# Altium PCB SVEC.pcbdoc (part 9 of 18) (continued)
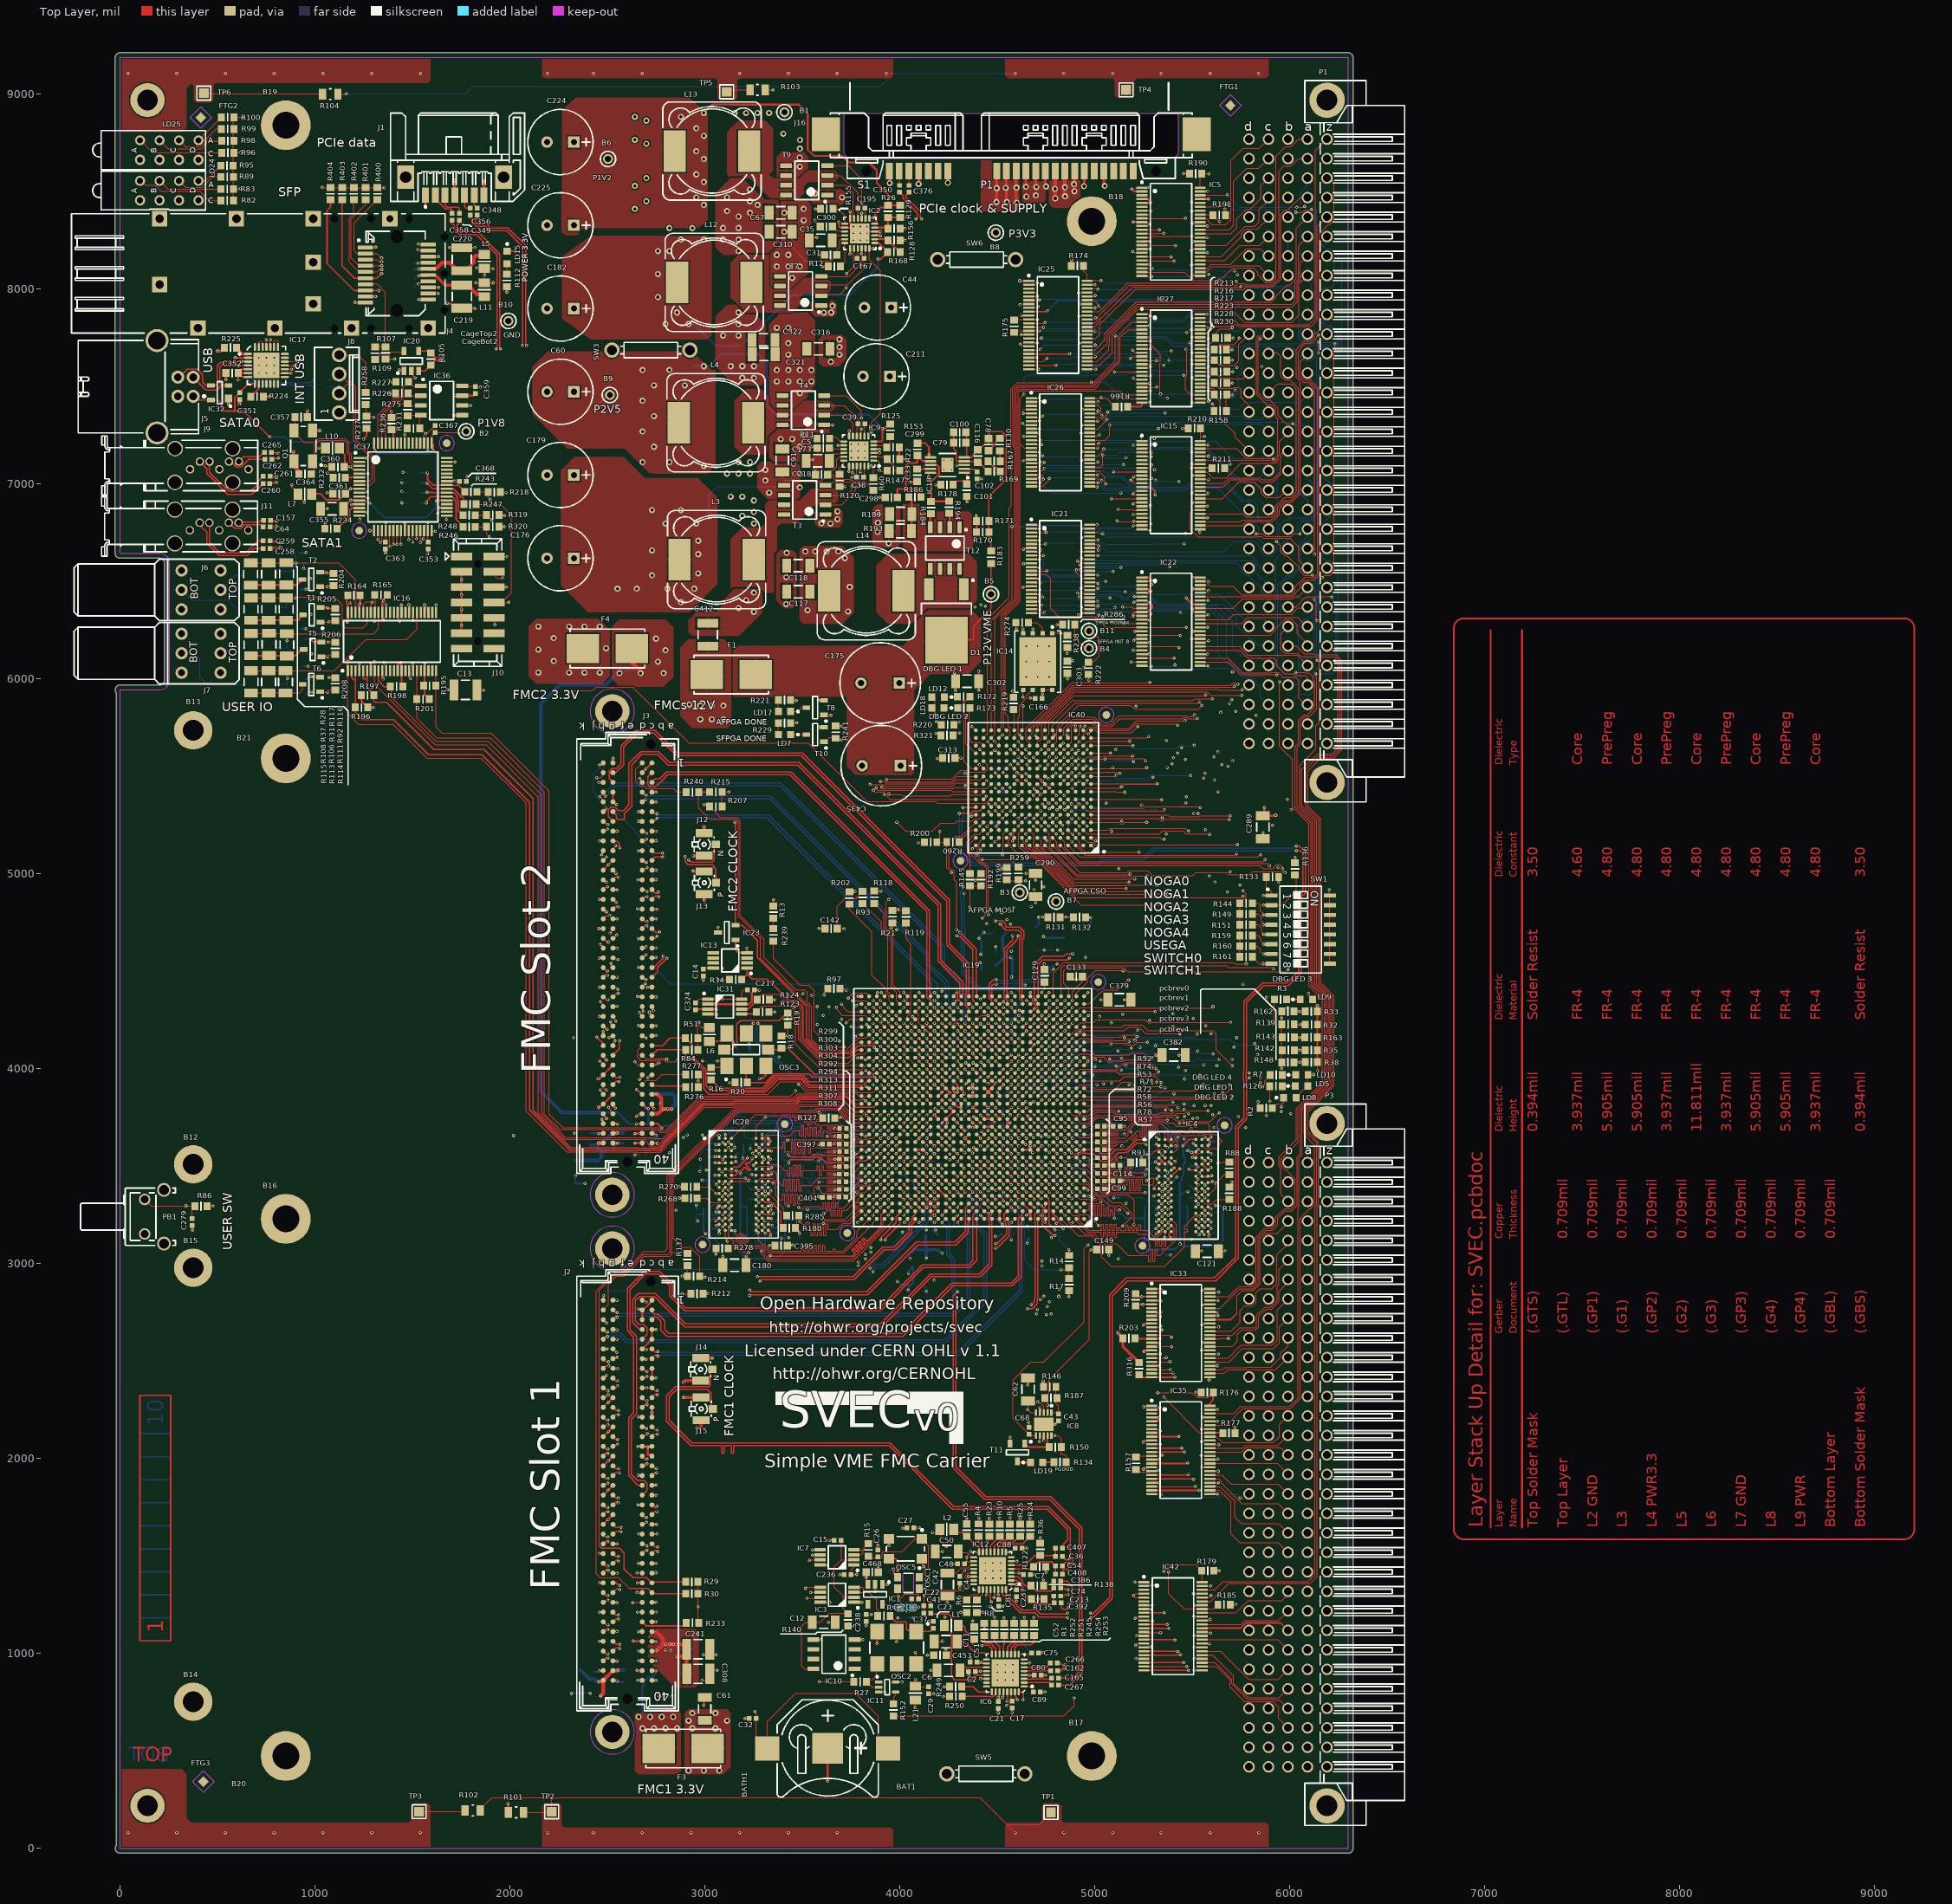
[diagram p0: Top Layer view]
## Nets (pads, with @x,y where several pads share a name; then routed paths per layer and width w, separated by ;. In a path a pad name is that pad's centre, name@x,y a point inside that pad or via, vN(x,y) a via of type N, cw(c..) or ccw(c..) an arc to the next point about the centre after c; other vN are vias at no path point) (continued)
  Top Layer w15: v1(542.69,7535.64) 543.19,7536.14 C352.2@543.19,7568.64 ; v1(555.69,7407.64) 555.96,7407.92 IC32.1@555.96,7438.11 ; v1(612.69,7409.64) 613.69,7410.64 C351.2@613.69,7431.92 ; v1(888.69,7166.64) 888.69,7088.64 902.69,7074.64 911.69,7074.64 917.19,7069.14 C364.1@917.19,7050.64 ; v1(959.69,7375.64) 960.18,7375.14 C357.1@960.18,7342.64 ; Q1.2@986.93,7273.38 1024.43,7273.38 v1(1024.69,7273.64) ; v1(1565.69,8424.64) 1566.07,8425.03 J1.1@1566.07,8480.73 ; J1.4@1716.07,8480.73 1716.07,8556.03 v1(1716.69,8556.64) ; J1.7@1866.07,8480.73 1866.07,8554.03 v1(1866.69,8554.64) ; v1(2888.69,2313.51) 2889.48,2312.71 J15.2@2980.69,2312.71 ; v1(2889.69,2390.51) 2898.75,2399.57 J14.2@2977.69,2399.57 ; v1(2937.69,5014.64) 2940.62,5011.71 J13.2@2996.55,5011.71 ; v1(2939.69,5091.64) 2940.62,5092.57 J12.2@2995.69,5092.57 ; v1(2957.69,2158.64) 2959.69,2156.64 2976.69,2156.64 2980.69,2160.64 J15.2@2980.69,2196.57 ; J14.2@2977.69,2515.71 3037.62,2515.71 v1(3037.69,2515.64) ; v1(2994.69,5242.64) 2995.69,5241.64 J12.2@2995.69,5208.71 ; v1(2996.55,4863.64) J13.2@2996.55,4895.57 ; v1(3582.55,3343.51) 3585.55,3340.51 C404.1@3602.84,3340.51 ; v1(3585.55,3774.51) 3603.06,3757 R127.2@3603.06,3746.51 ; v1(3784.55,4370.51) 3785.42,4371.37 IC19.AK30@3802.69,4371.37 ; v2@3948.4,8543.66 J16.S1@3948.4,8610.36 ; v2@4097.4,8536.66 J16.S4@4097.4,8604.92 ; v2@4247.27,8544.79 J16.S7@4247.27,8611.49 ; v2@4644.69,8521.64 4645.4,8522.36 J16.P4@4645.4,8603.66 ; J16.P5@4695.4,8603.66 4695.4,8521.92 v2@4695.69,8521.64 ; J16.P6@4745.4,8603.66 4745.4,8525.92 v2@4746.69,8524.64 ; IC40.R6@4782.98,5696.41 4790.55,5703.99 v1(4790.55,5713.51) ; v2@4945.4,8528.92 J16.P10@4945.4,8603.66 ; v2@5045.4,8531.92 J16.P12@5045.4,8603.66 ; C99.1@5128.27,3423.51 v1@5146.55,3423.51 ; v1(5314.55,3613.51) 5322.83,3605.23 IC4.B1@5328.57,3605.23 ; v1(5316.08,3153.88) 5318.16,3153.88 IC4.T1@5328.57,3164.29 ; R188.1@5689.55,3392 5703.55,3406 v1@5703.55,3416.51
  L3 w4: v1@3052.55,3220.91 v1(3052.95,3220.51) ; v1@3060.79,3283.74 v1(3061.55,3284.51)
  Bottom Layer w5: C362.2@1240.27,6926.51 1241.27,6925.51 v1(1271.55,6925.51) ; C366.2@1242.27,6964.51 1263.55,6964.51 v1(1269.55,6958.51) ; C365.2@1244.27,7063.51 1260.55,7063.51 v1(1271.55,7052.51) ; C315.1@1490.27,7566.51 1512.27,7544.51 v1(1513.55,7544.51) ; C214.2@1502.55,8132.22 1502.84,8132.51 v1(1526.55,8132.51) ; C228.2@1508.55,8010.79 1516.55,8018.79 1516.55,8022.51 1519.02,8024.98 v1(1530.08,8024.98) ; v1(1567.55,7258.51) 1568.55,7257.51 C354.2@1568.55,7227.22 ; v1(2986.55,4039.51) 2988.55,4039.51 C40.1@3007.84,4039.51 ; C34.1@3210.27,4159.51 3210.27,4142.79 v1(3227.55,4125.51) ; v1@3426.55,4255.51 3437.55,4255.51 3454.55,4272.51 C375.1@3457.5,4272.51 3457.5,4314.45 v1(3460.55,4317.51) ; v1@3427.55,4374.51 3429.55,4376.51 C380.1@3458.5,4376.51 3495.55,4376.51 v1(3502.55,4383.51) ; v1(3585.55,3774.51) 3576.55,3765.51 3576.55,3718.51 3602.55,3692.51 C399.1@3602.84,3692.51 ; C143.1@3639.06,4282.51 3639.69,4283.14 3639.69,4310.51 ; v1(3783,3209.95) 3796.69,3223.64 C391.1@3810.97,3223.64 ; C131.1@3791.55,3904 3821.05,3904 v1(3826.55,3909.51) ; C161.1@3806.55,3393.22 C161.1@3806.55,3396.51 ; C161.1@3806.69,3385.36 3823.55,3402.22 v1@3823.55,3406.81 ; v1(3828.55,4226.51) 3829.69,4227.64 C199.1@3829.69,4248.92 ; v1@3939.55,3684.51 3950.55,3684.51 3960.55,3694.51 C243.1@3961.84,3694.51 ; C347.1@3999.55,4330.22 3999.55,4336.51 4013.55,4350.51 v1@4019.55,4350.51 ; v1@4018.55,4391.51 4021.06,4394.01 C273.1@4021.06,4420.51 ; C221.1@4079.69,4286.64 v1@4099.69,4306.64 ; v1@4094.55,4350.51 4107.82,4350.51 4118.55,4339.77 C286.1@4118.55,4333.79 ; v1@4098.55,4307.22 v1@4098.55,4308.51 ; C140.1@4122.05,2891.51 4122.05,2887.28 4136.55,2872.77 v1(4136.55,2857.51) ; C268.1@4145.55,2945.45 4162.88,2945.45 4176.55,2931.77 v1(4176.55,2914.51) ; C278.1@4213.69,4375.36 4213.69,4395.64 v1(4215.69,4397.64) ; C369.1@4254.55,4019.79 4254.55,3995.51 v1@4255.55,3995.51 ; v1@4254.55,4230.51 4278.84,4254.79 C285.1@4302.55,4254.79 ; C275.1@4267.55,4387.22 4285.27,4387.22 v1@4291.55,4393.51 ; v1(4334.18,3682.4) 4335.1,3683.31 4343.11,3683.31 C222.1@4359.78,3666.65 ; v1(4407.55,5558.51) 4408.84,5559.79 C343.1@4429.55,5559.79 ; C288.1@4423.4,4261.64 4440.99,4261.64 v1(4452.29,4272.95) ; C92.1@4465.69,4369.36 4478.42,4356.63 4486.72,4356.63 v1(4491.66,4351.69) ; v1(4485.55,5633.51) 4487.84,5635.79 C333.1@4510.55,5635.79 ; C305.1@4488.06,5473.51 4488.06,5441 v1(4488.55,5440.51) ; v1@4526.55,5439.3 4526.55,5439.99 v1(4527.07,5440.51) ; v1(4528.55,5519.51) 4533.05,5524 C312.1@4533.05,5551.51 ; v1(4530.69,4077.64) 4553.69,4100.64 C187.1@4554.97,4100.64 ; v1@4567.55,4350.51 4571.48,4346.58 4579.34,4346.58 4579.34,4338.72 4583.27,4334.79 C150.1@4589.55,4334.79 ; v1(4570.4,4351.69) 4571.45,4350.64 4584.97,4350.64 C150.1@4592.69,4342.92 ; v1(4610.69,4299.64) 4635.14,4299.64 C9.1@4643.55,4291.22 ; C231.1@4625.55,5541.22 4625.55,5537.77 4647.63,5515.7 v1(4647.63,5512.35) 4656.19,5503.79 C216.1@4670.55,5503.79 ; v1(4628.55,7309.51) C464.2@4646.55,7309.51 ; v1(4630.55,7116.51) C338.2@4662.55,7116.51 ; v1(4631.55,6467.51) C154.1@4654.55,6467.51 ; C198.1@4648.84,3860.51 4649.15,3860.81 v1(4649.14,3879.25) ; C334.1@4662.27,5420.51 4665.19,5420.51 v1(4684.56,5401.14) 4704.55,5381.14 C208.1@4704.55,5379.22 ; v1(4668.55,4391.06) 4688.85,4411.36 C126.1@4692.69,4411.36 ; C331.2@4675.55,8032.51 4702.55,8032.51 v1(4703.55,8031.51) ; C516.1@4676.55,7912.51 4678.55,7910.51 v1(4708.55,7910.51) ; C517.2@4678.27,7719.51 4701.55,7719.51 4705.55,7723.51 v1(4704.55,7723.51) ; v1(4684.55,5597.99) 4686.8,5595.75 4702.55,5611.51 C345.1@4705.84,5611.51 ; C227.1@4694.27,6662.51 4719.55,6662.51 4720.55,6661.51 v1(4720.55,6660.51) ; C341.1@4703.27,5460.51 4703.93,5460.51 v1(4723.93,5440.51) ; v1(4720.55,5405.51) 4732.55,5405.51 4744.55,5417.51 C325.1@4744.55,5418.22 ; C342.1@4739.84,5533.51 4739.84,5499.94 C207.1@4740.27,5499.51 ; v1(4790.55,5713.51) 4808.84,5731.79 C233.1@4808.84,5735.51 ; C344.1@4804.27,5462.51 4824.66,5462.51 v1(4842.04,5479.88) ; C204.1@4905.55,3390.79 4907.54,3390.79 4924.74,3373.59 v1(4924.74,3367.44) ; C172.1@4916.55,4212.79 4916.55,4196.51 v1@4924.55,4188.51 ; v1(4916.55,7979.51) 4927.55,7968.51 C329.1@4937.55,7968.51 ; v1(4918.55,7858.51) 4937.55,7858.51 C521.2@4939.55,7856.51 ; v1(4919.55,7721.51) 4920.55,7720.51 C513.2@4939.55,7720.51 ; C141.1@4927.55,3200.01 4954.16,3200.01 v1(4964.11,3209.95) ; v1(4928.55,6464.51) 4952.55,6464.51 C501.2@4953.55,6463.51 ; v1(4929.55,7261.51) 4938.55,7252.51 C522.1@4957.84,7252.51 ; v1(4930.55,7118.51) 4932.55,7116.51 C294.2@4949.55,7116.51 ; v1(4931.55,6723.51) 4954.55,6723.51 C226.1@4955.55,6722.51 ; v1(4955.55,5553.51) 4959.06,5557.01 C304.1@4990.55,5557.01 ; C145.1@5022.05,4236.51 5022.05,4263 v1@5023.55,4264.51 ; C144.1@5025.05,4116.51 5074.55,4116.51 v1(5081.55,4123.51) ; C130.1@5086.05,3953.51 5086.05,3925.01 v1(5087.55,3923.51) ; R87.1@5126.06,3389.51 5148.25,3389.51 v1(5153,3384.76) ; v1(5138.55,3603.51) 5141.55,3600.51 C111.1@5167.06,3600.51 ; v1(5195.55,6897.51) 5215.55,6897.51 C507.2@5217.55,6895.51 ; v1(5197.55,7035.51) C506.1@5221.55,7035.51 ; v1(5206.55,1180.51) 5231.84,1180.51 C252.1@5233.84,1178.51 ; v1(5208.55,1042.51) C251.1@5231.84,1042.51 ; C457.1@5251.55,7137.22 5286.27,7137.22 v1(5288.55,7139.51) ; C512.1@5253.27,7544.51 5272.55,7544.51 v1(5283.55,7555.51) ; C437.1@5254.27,7685.51 5276.55,7685.51 v1(5284.55,7693.51) ; C257.1@5266.27,1357.51 5285.55,1357.51 v1(5292.55,1350.51) ; C106.1@5290.55,3602.22 5299.97,3611.64 5316.42,3611.64 v1@5318.27,3609.79 ; C152.1@5294.55,3441.22 5312.84,3441.22 v1@5315.55,3438.51 ; v1(5314.55,3613.51) 5333.84,3613.51 C109.1@5337.55,3609.79 ; v1(5412.55,3603.51) 5417.84,3598.22 C115.1@5417.84,3579.51 ; v1(5494.55,7163.51) 5494.55,7164.51 5506.55,7152.51 C326.2@5521.84,7152.51 ; v1(5505.55,1306.51) 5514.55,1297.51 C125.2@5533.84,1297.51 ; v1(5506.55,1190.51) 5516.55,1180.51 C520.1@5532.84,1180.51 ; v1(5508.55,1090.51) 5517.55,1099.51 C465.1@5532.84,1099.51 ; v1(5509.55,972.51) 5522.84,985.79 C127.2@5547.55,985.79 ; C436.2@5545.55,6819.51 5570.55,6819.51 v1(5577.55,6826.51) ; v1(5546.55,2087.51) 5551.55,2082.51 C447.2@5570.84,2082.51 ; v1(5548.55,2687.51) 5549.55,2686.51 C254.1@5569.55,2686.51 ; v1(5548.55,2861.51) 5572.55,2861.51 C264.2@5573.55,2860.51 ; v1@5551.55,2554.51 5566.55,2554.51 C153.2@5572.55,2548.51 ; v1(5552.55,2211.51) 5588.27,2211.51 C245.1@5590.55,2213.79 ; C337.1@5555.27,7798.51 5580.55,7798.51 v1@5581.58,7799.53 ; C164.2@5558.27,7548.51 v1@5585.55,7548.51 ; C319.2@5559.27,6952.51 5579.55,6952.51 v1(5580.55,6951.51) ; C296.2@5559.27,8077.51 5581.55,8077.51 v1(5584.55,8074.51) ; C107.1@5563.55,3615.22 5586.27,3615.22 v1(5589.55,3618.51) ; v1(5581.58,7796) v1@5581.58,7799.53 ; v1(5585.3,3141.21) 5603.01,3123.51 C113.1@5617.84,3123.51 ; C249.2@5588.55,2470.51 5623.55,2470.51 v1(5629.55,2476.51) ; C132.2@5593.55,1865.22 5623.27,1865.22 v1(5633.55,1875.51) ; C244.1@5605.27,2004.51 5607.27,2002.51 5634.55,2002.51 v1(5630.55,1998.51) ; v1@5581.58,7799.53 5583.55,7801.51 5578.55,7806.51 5577.55,7806.51 5581.58,7802.48 v1@5581.58,7799.53
  Bottom Layer w8: C3.1@3940,1417.72 3954.79,1432.51 v1(3967.55,1432.51) ; C19.1@4046.27,1183 4068.33,1183 v1(4068.69,1182.64) ; v1(4137.33,4312.32) 4142.1,4317.09 4147.89,4317.09 ; C10.1@4442,1241.28 4465.04,1241.28 v1(4465.69,1240.64)
  Bottom Layer w10: R244.1@922.05,6645.51 951.55,6645.51 v1(954.55,6648.51) ; R255.1@926.05,6459.51 952.55,6459.51 v1(953.55,6458.51) ; R256.1@928.05,6257.51 v1(954.55,6257.51) ; R257.1@939.05,6064.51 964.55,6064.51 v1(965.55,6063.51) ; v1(941.55,6565.51) 941.83,6565.78 D2.1@941.83,6589.91 ; D4.1@948.83,6202.91 977.15,6202.91 v1(977.55,6202.51) ; D3.1@955.1,6395.64 958.69,6395.64 967.55,6404.51 v1(975.55,6404.51) ; D5.1@955.69,5998.64 967.96,6010.91 982.15,6010.91 v1(982.55,6010.51) ; C320.1@1206.27,6368.51 1221.27,6383.51 v1(1228.55,6383.51) ; v1(1227.55,6078.51) 1227.55,6057.79 C314.2@1239.84,6045.51 ; v1@1349.69,5998.64 1349.69,6010.64 1355.55,6016.51 C307.2@1355.55,6022.79 ; v1(1351.55,6301.51) 1351.55,6318.79 C306.2@1357.55,6324.79 ; C202.1@1433.55,6358.22 1433.55,6364.51 1442.55,6373.51 v1(1442.55,6379.51) ; v1(1488.55,6002.51) 1488.55,6017.79 C297.1@1493.55,6022.79 ; v1(1561.55,6378.51) 1570.84,6369.22 C186.2@1570.84,6344.51 ; v1(2315.55,794.51) 2317.5,796.45 C82.1@2362.55,796.45 2410.61,796.45 v1(2411.55,795.51) ; v1(2335.03,3450.19) C83.1@2335.04,3410.83 v1(2384.24,3410.82) ; C84.1@2413.78,3668.7 2451.16,3668.7 v1(2453.14,3666.72) ; C291.1@2431.55,905.22 2452.27,905.22 v1(2457.55,910.51) 2470.55,910.51 2478.05,918 C85.1@2487.55,918 ; C390.1@2519.27,2814.51 2545.55,2814.51 v1(2548.55,2811.51) ; C373.1@2520.27,5567.51 2520.27,5583.22 v1(2529.55,5592.51) ; C280.1@2529.92,3578.15 2529.92,3595.87 v1(2551.57,3617.51) 2579.15,3617.51 C87.1@2581.11,3615.55 ; v1(2548.55,858.51) 2554.05,853.01 C86.1@2581.55,853.01 ; v1(2640.16,3558.47) C255.1@2661.81,3558.47 ; v1(2640.16,3666.73) 2657.88,3666.73 C69.1@2669.69,3678.55 ; v1(2650,3755.32) 2654.7,3760.01 C73.1@2679.55,3760.01 ; v1(2650,3893.11) 2664.48,3878.64 2674.7,3878.64 C263.1@2681.84,3871.51 ; v1(2651.55,913.51) 2660.05,905.01 C65.1@2685.55,905.01 ; v1(2657.55,1010.51) 2661.55,1014.51 C256.1@2682.84,1014.51 ; C431.1@2720.05,1259.51 2747.55,1259.51 v1(2749.55,1261.51) ; C70.1@2721.05,1063.51 2731.55,1063.51 2734.55,1060.51 v1(2748.55,1060.51) ; C239.1@2723.27,855.51 2741.55,855.51 v1(2748.55,862.51) ; C76.1@2736.05,4018.51 2749.05,4031.51 v1(2763.55,4031.51) ; v1(2765.55,780.51) C56.1@2796.61,780.51 v1@2827.55,780.51 ; v1(2777.94,3696.25) 2787.8,3706.1 C301.2@2827.17,3706.1 ; C63.1@2807.48,3528.94 2812.69,3534.14 2812.69,3563.67 v1(2817.31,3568.3) ; C405.1@2955.55,3280.22 v1(2955.55,3300.51) ; v1(2974.55,3472.51) 2976.55,3474.51 C396.1@2976.55,3500.01 ; v1(3006.55,3479.51) C389.1@3026.84,3479.51 ; C385.1@3028.55,3547.79 3051.84,3547.79 v1(3052.55,3548.51) ; C394.1@3031.55,3616.79 3051.27,3616.79 v1(3056.55,3611.51) ; v1(3119.55,3408.51) 3119.55,3414.22 C402.1@3145.84,3440.51 ; v1(3230.55,3591.51) 3232.27,3593.22 C401.1@3232.27,3612.51 ; v1(3342.55,3493.51) 3342.55,3499.79 C388.1@3366.55,3499.79 ; v1@3426.55,3297.51 v1(3429.55,3294.51) ; C398.1@3449.55,3189.79 3452.27,3189.79 3484.55,3157.51 v1(3484.55,3154.51) 3485.27,3153.79 C383.1@3485.27,3133.51 ; v1(3764.69,3636.64) 3768.69,3632.64 C230.1@3793.97,3632.64 ; v1(3828.55,4226.51) 3835.55,4219.51 C171.1@3835.55,4197.22 ; v1@3939.06,4237.58 3958.27,4218.37 C30.1@3958.27,4213.51 ; v1(3940.48,3249.33) C151.1@3957.74,3266.58 ; C20.1@4004.4,3452.64 4022.97,3452.64 ; C168.1@4037.97,3467.64 4022.97,3452.64 ; C371.1@4070.55,4051.79 4088.84,4051.79 4096.55,4059.51 v1@4096.55,4073.51 ; C384.1@4076.27,3584.51 4096.49,3564.29 v1(4097.96,3564.29) ; v1@4096.55,3290.51 4102.55,3284.51 C59.1@4102.55,3267.22 ; v1(4137.33,3367.44) 4115.41,3389.36 C190.1@4072.69,3389.36 4072.69,3411.72 4059.28,3425.13 4051.92,3425.13 C387.1@4041.69,3435.36 4024.4,3452.64 4022.97,3452.64 ; v1(4137.33,3524.92) 4173.7,3524.92 C196.1@4175.97,3522.64 ; v1@4137.55,3686.51 4138.84,3686.51 4156.84,3704.51 4156.84,3681.21 C1.1@4168.69,3669.36 ; v1@4138.55,3879.51 4139.84,3879.51 C174.1@4157.84,3861.51 ; v1@4176.7,3288.69 4182.8,3294.79 C57.1@4201.55,3294.79 ; v1(4181.69,3172.64) 4173.69,3172.64 4173.55,3172.51 4173.55,3169.51 4194.05,3149.01 C270.1@4194.05,3142.51 ; C8.1@4193.27,3820.51 C8.1@4196.07,3820.51 ; v1(4216.07,3800.51) C8.1@4196.07,3820.51 ; v1@4217.55,3838.51 4199.55,3820.51 C8.1@4196.07,3820.51 ; C274.1@4232.55,3330.22 4255.27,3330.22 v1@4255.55,3330.51 ; C159.1@4270.27,3743.51 v1@4291.27,3722.51 ; C25.1@4271.4,3902.64 4271.4,3927.79 C156.1@4271.47,3927.86 ; C25.1@4273.27,3898.51 4273.27,3885.06 4277.69,3880.64 v1@4292.69,3880.64 ; C156.1@4275.84,3932.22 C156.1@4275.84,3939.51 ; C18.1@4276.84,3190.51 4276.84,3232.51 4275.55,3233.79 4276.84,3233.79 4290.55,3247.51 v1@4296.55,3247.51 ; v1@4291.55,3722.51 4291.55,3725.77 4311.31,3706.02 C201.1@4316.47,3706.02 4316.47,3701.95 v1@4335.1,3683.31 ; v1@4295.22,3367.84 4315.55,3347.51 C281.1@4315.55,3346.22 ; C311.1@4306.55,5516 4333.06,5516 v1(4334.55,5514.51) ; C201.1@4316.84,3701.51 4316.84,3694.22 4320.52,3690.54 4327.78,3690.54 4327.88,3690.45 4327.88,3683.18 v1@4331.55,3679.51 ; v1@4332.55,3874.51 4316.84,3890.22 C223.1@4316.84,3897.51 4316.84,3899.79 4353.84,3936.79 C170.1@4353.84,3938.51 ; v1(4334.18,3839.88) 4345.05,3829.01 C147.1@4345.05,3801.51 ; v1@4334.55,3643.51 4335.84,3643.51 C123.1@4354.84,3624.51 ; C188.1@4351.27,3545.51 4351.27,3544.79 v1@4371.55,3524.51 ; v1@4375.55,4077.51 4375.55,4074.1 4391.27,4058.38 C205.1@4391.27,4055.51 ; C282.1@4390.69,4372.36 4398.05,4372.36 v1@4413.73,4356.68 ; C193.1@4392.55,3823.79 4392.55,3819.51 4375.55,3802.51 4393.84,3784.22 C160.1@4393.84,3781.51 ; v1(4411.55,4544.51) 4410.55,4544.51 4417.55,4537.51 C381.1@4417.55,4508.45 ; v1@4414.82,3245.51 4412.69,3243.37 4412.69,3238.64 C276.1@4419.69,3231.64 ; C203.1@4429.27,3899.51 4432.27,3899.51 v1@4452.41,3879.36 ; C177.1@4432.55,3859.22 4432.55,3859.51 v1(4452.29,3879.25) v1@4452.41,3879.36 ; v1(4452.29,3682.4) 4452.55,3682.66 4452.55,3703.51 4458.06,3709.01 C134.1@4458.06,3723.51 4487.55,3723.51 v1(4487.69,3723.64) ; C372.1@4463.55,4052.79 4453.69,4042.92 4453.69,4035.37 4465.84,4023.22 C215.1@4465.84,4007.51 ; C229.1@4472.55,3859.22 v1@4452.41,3879.36 ; C192.1@4472.84,3901.51 4454.55,3883.22 4454.55,3881.51 v1@4452.41,3879.36 ; C232.1@4481.27,5267.51 4481.27,5263.06 4493.55,5250.77 v1(4493.55,5244.51) 4497.05,5241.01 4497.05,5236.27 4499.32,5234.01 4504.05,5234.01 4507.55,5230.51 C330.1@4507.55,5220.22 ; C277.1@4486.55,3231.79 4492.54,3231.79 4522.69,3201.64 v1(4525.69,3201.64) ; v1(4489.69,3139.64) 4507.19,3139.64 C272.1@4522.06,3154.51 ; v1(4491.55,4626.51) 4492.55,4625.51 C271.1@4492.55,4596 ; v1@4528.55,3763.51 4529.55,3764.51 C146.1@4529.55,3796.01 ; C53.1@4569.55,3266.22 4569.55,3287.84 v1(4570.4,3288.7) ; v1(4570.4,4233.58) 4573.4,4236.58 C284.1@4573.4,4259.64 ; v1(4571.55,4602.51) 4576.55,4607.51 C269.1@4576.55,4635.56 ; C158.1@4591.84,3742.51 4591.84,3743.79 v1@4607.55,3759.51 ; v1(4645.18,5283.02) 4663.55,5301.39 C234.1@4663.55,5306.79 ; C189.1@4649.14,3583.9 C189.1@4649.69,3583.36 ; C191.1@4664.84,4099.51 4668.84,4095.51 4668.84,4102.79 4683.55,4117.51 4671.27,4129.79 C370.1@4671.27,4138.51 ; v1(4667.69,3604.64) 4667.69,3601.36 C189.1@4649.69,3583.36 ; v1(4680.69,3569.64) 4669.69,3569.64 4655.97,3583.36 C189.1@4649.69,3583.36 ; C374.1@4694.55,4722.56 4711.55,4739.56 v1(4711.55,4777.51) ; C197.1@4708.55,3583.22 4725.55,3600.22 4725.55,3609.77 4710.84,3624.49 C206.1@4710.84,3626.51 ; C323.1@4723.27,5181.51 4739.81,5181.51 v1(4753.68,5167.63) ; v1@4727.88,3249.33 4733.42,3243.79 C124.1@4749.55,3243.79 ; v1(4735.55,4678.51) 4743.06,4671 C120.1@4769.55,4671 C122.1@4842.55,4671 ; C207.1@4742.27,5499.51 4754.19,5487.58 v1(4762.83,5487.58) ; C342.1@4742.84,5540.39 C342.1@4742.84,5543.51 ; C378.2@4771.55,3154.79 4771.55,3138.51 v1(4777.55,3132.51) ; C194.1@4784.4,3546.64 4786.4,3546.64 4804.27,3564.51 v1@4805.55,3564.51 ; C346.1@4858.27,5298.51 4864.55,5298.51 v1(4881.55,5281.51) 4881.55,5261.22 C340.1@4861.55,5241.22 ; C28.1@4867.55,3209.79 4887.39,3209.79 v1(4887.55,3209.95) ; C317.1@4918.27,5381.51 4940.4,5381.51 v1(4960.15,5361.76) ; C377.1@4949.55,4723.56 4957.61,4723.56 4978.55,4744.51 v1(4978.55,4775.51) ; v1(4964.11,3209.95) 4970.69,3216.54 C94.1@4970.69,3245.92 ; v1(5095.55,3338.51) 5096.55,3337.51 R141.2@5126.06,3337.51 ; v1(5100.55,3233.51) 5102.55,3231.51 C96.1@5122.84,3231.51 ; C112.1@5128.27,3663.51 v1(5150.55,3663.51) ; v1(5153,3384.76) 5153,3385.95 v1@5155.55,3388.51 ; v1(5188.55,8512.51) C336.2@5214.84,8512.51 ; v1(5194.55,6321.51) 5201.55,6328.51 C500.1@5218.84,6328.51 ; v1(5195.55,8343.51) 5204.82,8343.51 5213.82,8334.51 C328.2@5219.84,8334.51 ; v1(5199.55,6196.51) 5219.84,6196.51 C519.2@5220.84,6195.51 ; C327.1@5242.55,8441.22 5243.84,8442.51 v1(5283.55,8442.51) ; v1(5248.55,1945.51) 5271.84,1945.51 C250.1@5272.84,1944.51 ; v1(5249.55,2085.51) 5270.84,2085.51 C246.1@5271.84,2084.51 ; v1(5249.55,2684.51) 5272.84,2684.51 C247.2@5273.84,2683.51 ; v1(5251.55,2548.51) 5267.84,2548.51 C248.2@5272.84,2543.51 ; C295.1@5258.27,8197.51 5276.55,8197.51 v1(5284.55,8205.51) ; C185.2@5259.27,6392.51 v1(5282.55,6392.51) ; C105.1@5287.55,3127.79 5290.67,3127.79 5314.55,3151.67 5314.55,3148.51 5314.78,3148.73 5314.78,3153.51 5315.62,3154.34 v1@5314.64,3155.33 ; C104.1@5289.55,3516.22 5307.27,3516.22 5311.3,3520.25 v1(5311.3,3522.7) 5311.3,3532.25 ; C287.2@5292.55,2796.22 5305.84,2809.51 v1(5336.55,2809.51) ; C253.2@5308.27,2262.51 5331.55,2262.51 v1(5332.55,2261.51) ; R90.1@5360.55,3043.01 5389.06,3043.01 v1(5389.55,3043.51) ; C97.1@5401.84,3418.51 5401.84,3425.79 5414.55,3438.51 5414.55,3443.51 v1(5419.55,3443.51) ; v1@5458.55,3637.51 v1(5458.55,3639.51) ; C98.1@5472.27,3123.51 v1(5494.55,3123.51) ; v1(5495.55,6205.51) 5501.82,6205.51 5512.82,6194.51 C292.1@5518.84,6194.51 ; v1@5496.55,8195.51 5498.55,8197.51 C318.1@5516.84,8197.51 ; v1(5497.55,8334.51) 5516.84,8334.51 C332.1@5519.84,8331.51 ; v1(5498.74,6359.23) 5498.74,6352.59 C240.2@5512.69,6338.64 ; v1(5500.55,6518.51) 5500.55,6519.51 5506.55,6513.51 C184.1@5522.84,6513.51 ; C240.2@5512.82,6334.51 C240.2@5518.84,6334.51 ; C335.1@5533.55,8465.79 5537.84,8461.51 v1(5582.55,8461.51) ; C293.1@5543.55,6116.22 5569.27,6116.22 v1(5578.55,6125.51) ; v1(5564.55,3368.51) 5564.55,3378.51 5572.27,3386.22 C103.1@5589.55,3386.22 ; C235.1@5587.27,3303.51 5587.27,3286.83 v1(5594.85,3279.25) ; C108.1@5587.27,3673.51 5594.55,3666.23 v1(5594.55,3648.51) ; v1(5589.55,3618.51) 5597.27,3626.22 C110.1@5614.55,3626.22
  Bottom Layer w15: v1(2985.55,3428.51) 2987.55,3426.51 C393.1@3005.84,3426.51 ; C406.1@3221.55,3074.79 3223.55,3072.79 v1(3223.55,3054.51) ; v1(3227.55,4125.51) 3229.05,4124.01 C16.1@3229.05,4097.51 ; C242.1@3409.27,3297.51 v1@3426.55,3297.51 ; v1(3581.55,3531.51) C403.1@3601.84,3531.51 ; v1(3585.55,3417.51) 3586.55,3418.51 C400.1@3605.84,3418.51 ; C58.1@4487.4,3349.64 4487.4,3328.07 v1(4491.66,3328.07) ; v1@4653.69,3107.64 4653.69,3118.92 C155.1@4662.55,3127.79 ; C178.1@4873.97,3309.64 4885.37,3298.25 v1(4885.37,3288.7)
  Bottom Layer w20: C339.1@4526.55,5420.22 4526.55,5439.3 v1@4527.07,5439.82
  other v1: 4503.69,694.64 4574.69,696.64 2830.69,781.64 4744.69,801.64 4746.69,889.64 4733.69,1003.64 3882.69,1050.64 3596.69,1070.64 3809.69,1071.64 4432.69,1125.64 3827.69,1142.64 3633.69,1160.64 4484.69,1183.64 4686.69,1183.64 4311.69,1210.64 4425.69,1210.64 4307.69,1336.64 4691.69,1403.64 3690.69,1404.64 4748.69,1414.64 4271.69,1460.64 4651.69,1539.64 3887,1555 4012.49,1642.55 2751.69,1662.64 4616.69,1692.64 4342.69,1693.64 4403.69,1693.64 4458.69,1693.64 4667.69,1693.64 4511.69,1694.64 4563.69,1694.64 5549.69,1954.64 2550.69,2462.64 5547.69,2554.64 5550.69,2594.64 4653.69,3103.64 4023.55,3209.95 4176.7,3209.95 4176.69,3245.64 4019.22,3249.33 4294.81,3249.33 4412.92,3249.33 4721.69,3249.64 3861.74,3288.7 4097.96,3288.7 4176.69,3293.64 4255.44,3328.07 4412.92,3328.07 4294.81,3367.44 4609.77,3367.44 3824.69,3413.64 3940.48,3524.92 4570.4,3524.92 4137.33,3564.29 4294.81,3564.29 4806.62,3564.29 4372.69,3566.64 4727.88,3603.66 4097.96,3643.03 4334.18,3643.03 3940.48,3682.4 4137.33,3682.4 4491.66,3682.4 4294.81,3721.77 3827.55,3761.14 4412.92,3761.14 4531.03,3761.14 4609.77,3761.14 4373.55,3800.51 4497.69,3834.64 4216.07,3839.88 4609.77,3839.88 4137.33,3879.25 4339.69,3924.64 4255.44,3997.36 4452.29,4036.73 4097.96,4076.1 4373.69,4078.64 4688.69,4123.64 4924.69,4187.64 4255.44,4233.58 3940.69,4242.64 3422.69,4255.64 5023.69,4267.64 4216.07,4272.95 3861.74,4312.32 4097.96,4312.32 4531.03,4312.32 3635.69,4317.64 4019.22,4351.69 4097.96,4351.69 4649.14,4351.69 3425.69,4376.64 4019.22,4391.06 4176.7,4391.06 4290.69,4393.64 2705.69,4417.64 6201.69,4916.64 4577.07,5167.95 4668.69,5901.64 1348.69,5998.64 4630.69,6255.64 4713.69,6513.64 1062.69,6872.64 1779.69,7036.64 5013.69,7046.64 1052.69,7092.64 5692.55,7102.51 3750.55,7133.51 3785.55,7133.51 3820.55,7133.51 3750.55,7168.51 3785.55,7168.51 3820.55,7168.51 3750.55,7203.51 3785.55,7203.51 3820.55,7203.51 5583.55,7549.51 4920.69,7765.64 1678.69,7926.64 3602.69,8114.64 5493.69,8196.64 3761.55,8250.51 3796.55,8250.51 3831.55,8250.51 3761.55,8285.51 3796.55,8285.51 3831.55,8285.51 3761.55,8320.51 3796.55,8320.51 3831.55,8320.51
  other v2: 3250.4,6343.9 3171.66,6363.58 3416.55,6383.27 3211.03,6402.95 3250.4,6442.32 3416.55,6521.07 3419.15,6646.51 3941.55,6694.21 3885.55,6753.26 3250.4,6796.66 3643.55,6796.51 3597.55,6797.51 3886.79,6800.51 3679.55,6818.51 3191.34,6836.03 3885.55,6851.69 3250.4,6855.71 3679.55,6858.51 3250.4,6914.77 3132.29,6934.45 3191.34,6934.45 3112.6,7052.56 3171.66,7052.56 3230.71,7052.56 3171.66,7111.62 3230.71,7111.62 3486.62,7190.36 3388.19,7229.73 3447.25,7229.73 3506.3,7249.41 3191.34,7544.69 3250.4,7544.69 3132.29,7603.74 3191.34,7603.74 3250.4,7603.74 3645.64,7626.51 3689.55,7662.8 3689.55,7702.17 3689.55,7741.54 3092.92,7761.22 3171.66,7761.22 3171.66,7820.28 3609.65,7878.51 3171.66,7879.33 3647.55,7879.33 3653.94,7913.51 3171.66,8194.29 3092.92,8253.35 3171.66,8253.35 3092.92,8312.4 3171.66,8312.4 3171.66,8371.46 3230.71,8391.14 3112.6,8399.7 2640.16,8410.83 3270.08,8430.51 2699.22,8450.2 3230.71,8450.2 3112.6,8469.88 3703.15,8469.88 4648.55,8473.64 4697.55,8479.56 3565.36,8489.57 3230.71,8509.25 4699.15,8522.88 4646.15,8523.88 4749.15,8525.88 4944.15,8526.88 2640.16,8528.94 5050.15,8528.88 4095.69,8538.64 3947.02,8542.88 4245.69,8544.64 2699.22,8568.31 2699.22,8745.47 2640.16,8765.16 2699.22,8863.58 2640.16,8883.27 3151.97,8902.95 3211.03,8902.95 3270.08,8902.95 3329.14,8902.95
  other v3: 4500.5,863.58 4539.87,863.58 4579.24,863.58 4500.5,902.95 4539.87,902.95 4579.24,902.95 4500.5,942.32 4539.87,942.32 4579.24,942.32 4437.5,1385.58 4476.87,1385.58 4516.24,1385.58 4437.5,1424.95 4476.87,1424.95 4516.24,1424.95 4437.5,1464.32 4476.87,1464.32 4516.24,1464.32 4648.03,6009.25 4707.09,6009.25 4766.14,6009.25 4648.03,6087.99 4707.09,6087.99 4766.14,6087.99 4648.03,6166.73 4707.09,6166.73 4766.14,6166.73 4224.81,7072.25 4264.18,7072.25 4224.81,7121.46 4264.18,7121.46
  other v4: 711.32,7568.27 750.69,7568.27 790.06,7568.27 711.32,7607.64 750.69,7607.64 790.06,7607.64 711.32,7647.01 750.69,7647.01